# KiCad board ergodonk_simple.kicad_pcb (continued)
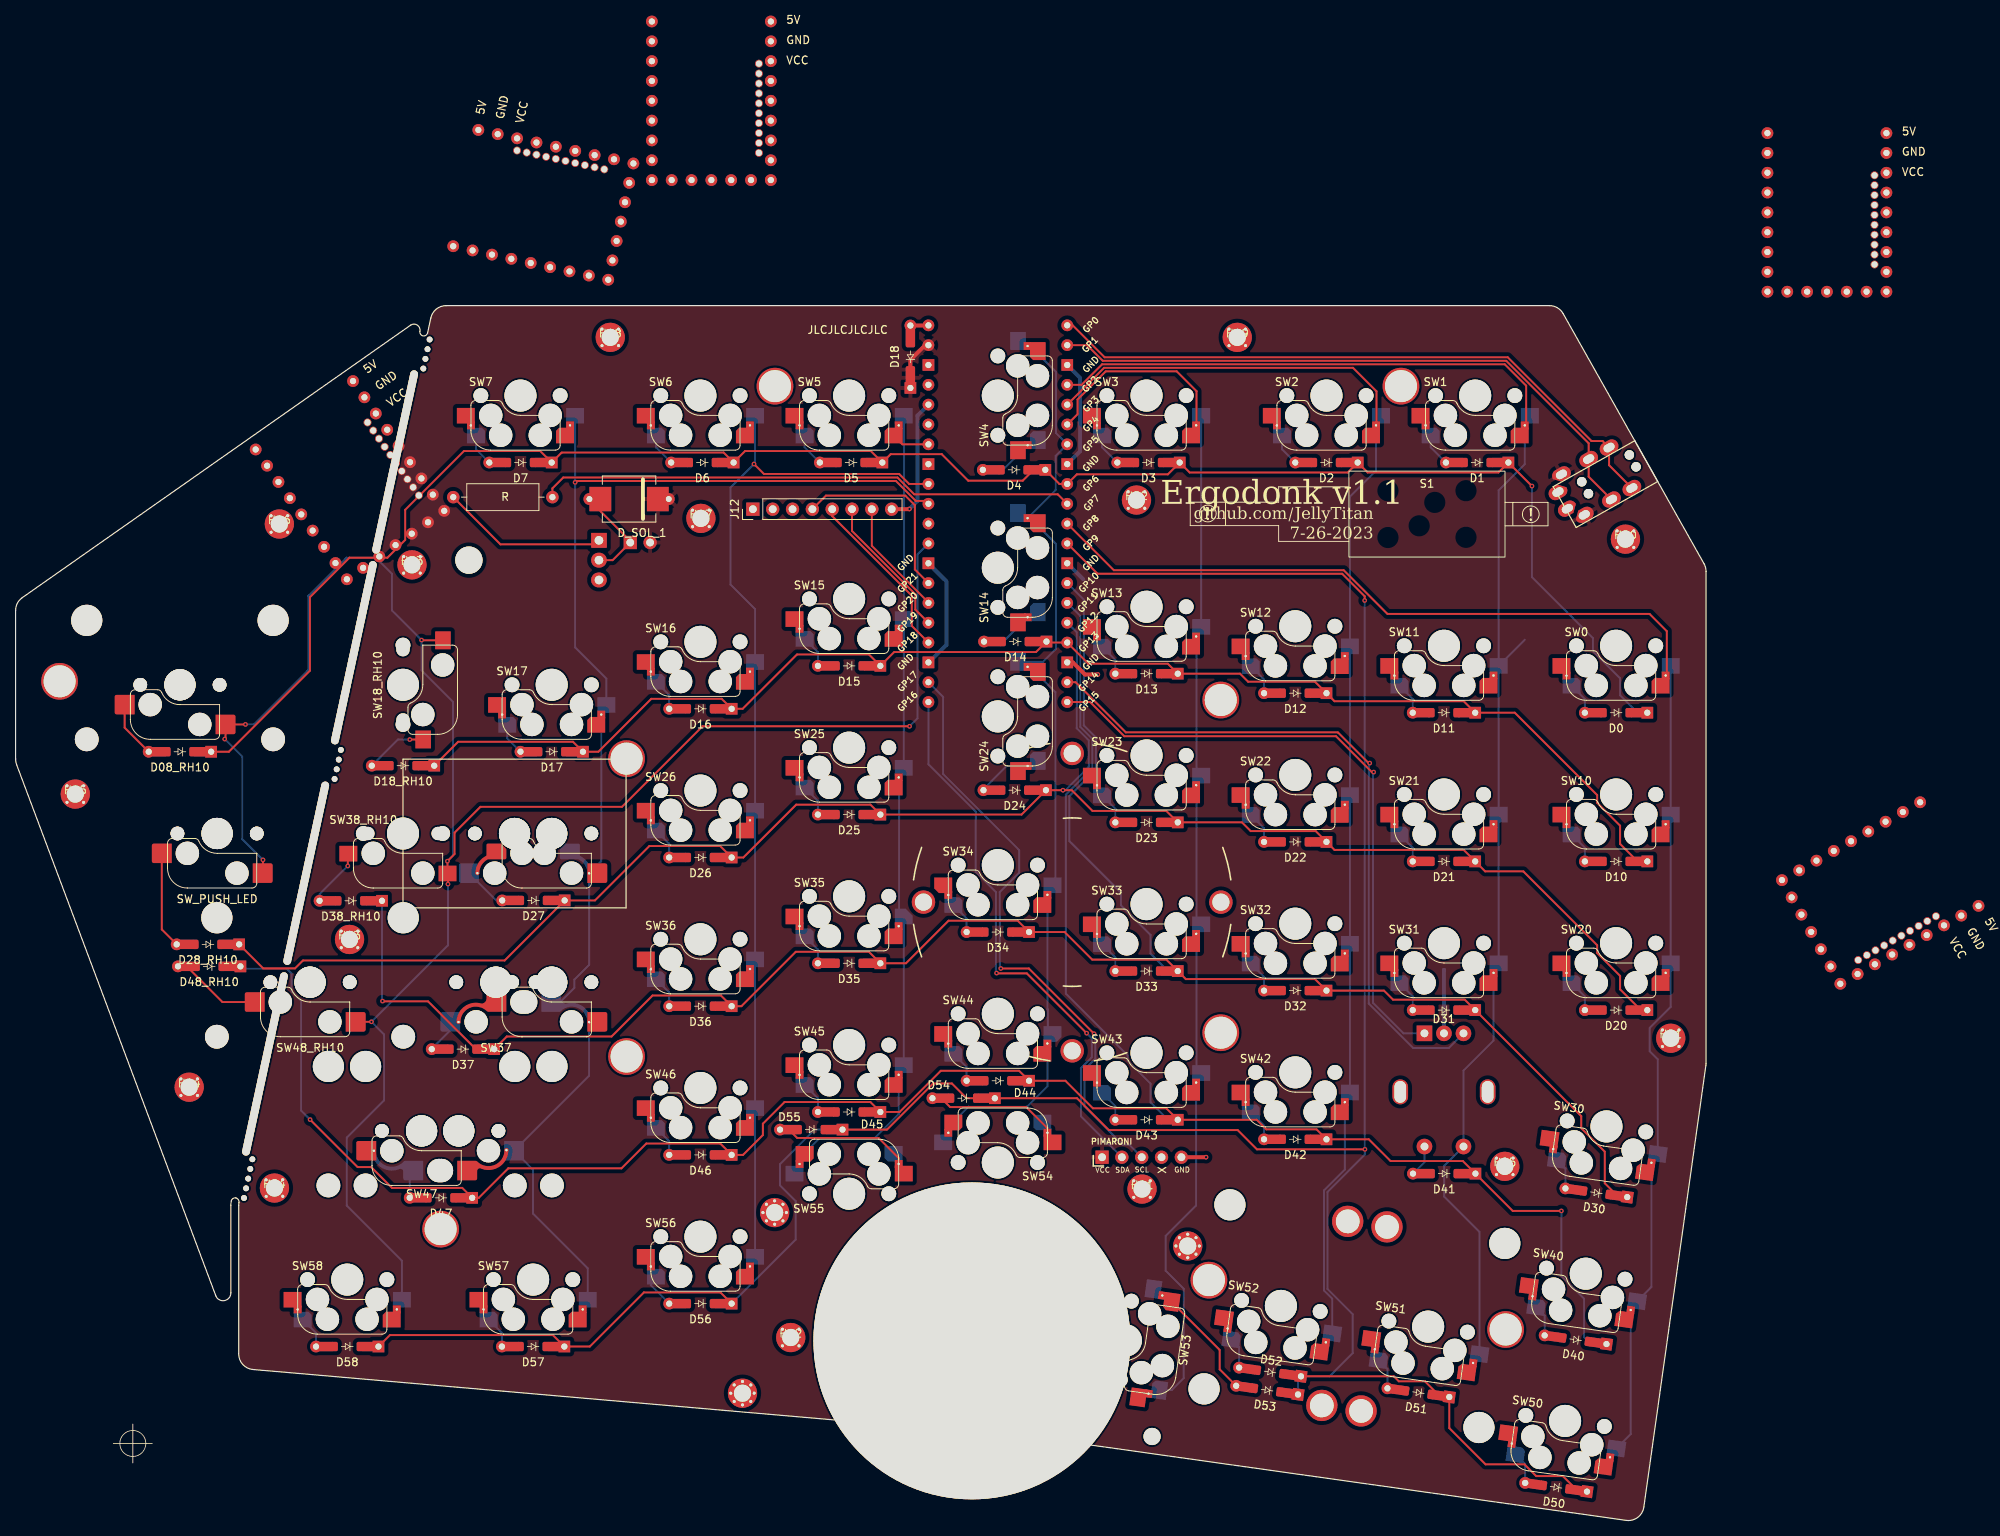
[diagram p0: board, top side]
## Library data of the parts
D0-D7 D08_RH10 D10-D17 D18_RH10 D20-D27 D28_RH10 D30-D37 D38_RH10 D40-D47 D48_RH10 D50-D58 = -: Description: Diode; Sim.Pins: 1=K 2=A
D18 = -: Description: Diode
D_SOL_1 = -: MANUFACTURER: Taiwan Semiconductor; MAXIMUM_PACKAGE_HEIGHT: 2.62 mm; PARTREV: L2102; STANDARD: IPC-7351B
H1-H25 = -: Description: Mounting Hole without connection
J10 = -: Description: Generic connector, single row, 01x05, script generated
J12 = -: Description: Generic connector, single row, 01x08, script generated
J_SOL_1 = -: Description: Generic connector, single row, 01x02, script generated (kicad-library-utils/schlib/autogen/connector/)
Q1 = -: Description: 5A Ic, 60V Vce, Silicon Darlington Power NPN Transistor, TO-220
R2 = -: Description: Resistor, small symbol
SW18 = -: Description: Rotary encoder, dual channel, incremental quadrate outputs
SWLH_ROT1 = -: Description: Rotary encoder, dual channel, incremental quadrate outputs, with switch

## Footprints (pads in the part's own frame, mm; a bottom-side part is the same pattern mirrored in y, then rotated)
39367019-bb4e-49d1-b84f-72ef74cff27d
  round 1.5 hole 0.8: 1(1.38,10.16) 2(1.38,7.62) 3(1.38,5.08) 4(1.38,2.54) 5(1.38,0) 6(1.38,-2.54) 7(1.38,-5.08) 8(1.38,-7.62) 9(1.38,-10.16) 10(3.92,-10.16) 11(6.46,-10.16) 12(9,-10.16) 13(11.54,-10.16) 14(14.08,-10.16) 15(16.62,-10.16) 16(16.62,-7.62) 17(16.62,-5.08) 18(16.62,-2.54) 19(16.62,0) 20(16.62,2.54) 21(16.62,5.08) 22(16.62,7.62) 23(16.62,10.16)
  round 1 hole 0.8: 24(15.096,-6.674) 25(15.096,-5.404) 26(15.096,-4.134) 27(15.096,-2.864) 28(15.096,-1.594) 29(15.096,-0.324) 30(15.096,0.946) 31(15.096,2.216) 32(15.096,3.486) 33(15.096,4.756)
Bourns Hollow Encoder high plate_donk_holes
  round 40.6 hole 40.6 unplated: (0,0)
  round 2.2 hole 2.2 unplated: (24.98,-7.66)
  round 0.5 hole 0.4: 1(-30.988,6.243) 1(-30.549,5.182) 1(-30.549,7.304) 1(-29.489,4.744) 1(-29.489,7.742) 1(-28.428,5.182) 1(-28.428,7.304) 1(-27.99,6.243) 1(-17.539,25.519) 1(-17.1,24.458) 1(-17.1,26.579) 1(-16.039,24.02) 1(-16.039,27.018) 1(-14.979,24.458) 1(-14.979,26.579) 1(-14.54,25.519) 1(9.452,-28.144) 1(9.89,-29.204) 1(9.89,-27.083) 1(10.951,-29.643) 1(10.951,-26.644) 1(12.011,-29.204) 1(12.011,-27.083) 1(12.45,-28.144)
  round 3.75 hole 2.2: 1(-29.489,6.243) 1(-16.039,25.519) 1(10.951,-28.144)
Cherry_MX_DS_Hotswap_1U_oneside
  round 1.9 hole 1.9 unplated: (-5.08,0) (5.08,0)
  round 1.7 hole 1.7 unplated: (-4.5,0) (4.5,0)
  round 3 hole 3 unplated: (-2.54,5.08) (3.81,2.54)
  round 4.1 hole 4.1 unplated: (0,0)
  rect 2.3x2 smd: 5(7,2.58) 6(-5.7,5.12)
Cherry_MX_DS_Hotswap_1U_sofle3b v3
  round 1.9 hole 1.9 unplated: (-5.08,0) (5.08,0)
  round 3 hole 3 unplated: (-3.81,2.54) (-2.54,5.08) (2.54,5.08) (3.81,2.54)
  round 4.1 hole 4.1 unplated: (0,0)
  rrect 2.3x2 smd far side: 5(5.7,5.12)
  rect 1x1 hole 0.3: 5(6.35,3.82) 6(-6.35,3.81)
  rect 2.3x2 smd: 5(7,2.58)
  rect 2.3x2 smd far side: 6(-7,2.58)
  rrect 2.3x2 smd: 6(-5.7,5.12)
Cherry_MX_DS_Hotswap_1U_sofle3b v3#2
  round 1.9 hole 1.9 unplated: (-5.08,0) (5.08,0)
  round 3 hole 3 unplated: (-3.81,2.54) (-2.54,5.08) (2.54,5.08) (3.81,2.54)
  round 4.1 hole 4.1 unplated: (0,0)
  rrect 2.3x2 smd far side: 5(5.7,5.12)
  rect 1x1 hole 0.3: 5(6.35,3.82) 6(-6.35,3.81)
  rrect 2.3x2 smd: 5(7,2.58) 6(-5.7,5.12)
  rect 2.3x2 smd far side: 6(-7,2.58)
Cherry_MX_DS_Hotswap_1U_sofle3b v3#3
  round 1.9 hole 1.9 unplated: (-5.08,0) (5.08,0)
  round 3 hole 3 unplated: (-3.81,2.54) (-2.54,5.08) (2.54,5.08) (3.81,2.54)
  round 4.1 hole 4.1 unplated: (0,0)
  rrect 2.3x2 smd far side: 5(5.7,5.12) 6(-7,2.58)
  rect 1x1 hole 0.3: 5(6.35,3.82) 6(-6.35,3.81)
  rect 2.3x2 smd: 5(7,2.58)
  rrect 2.3x2 smd: 6(-5.7,5.12)
D_SOD-123_DO-35_Hybrid_DoubleSided
  rect 1.5x1.5 hole 0.8: 1(-4,0)
  rect 1.6x1.2 smd far side: 1(-2.75,0) 2(2.7,0)
  rect 1.6x1.2 smd: 1(-2.7,0)
  rrect 0.9x1.2 smd: 1(-1.65,0) 2(1.65,0)
  rrect 0.9x1.2 smd far side: 1(-1.65,0) 2(1.65,0)
  rect 1.94x1.2 smd: 2(2.87,0)
  round 1.5 hole 0.8: 2(4,0)
Hole from sofle for M2 posts gold rimmer
  round 4.7 hole 4.1: (0,0)
M2_Hole_fancy_for_bolt-on-plate
  round 0.5 hole 0.4: 1(-1.061,1.061) 1(-1.061,-1.061) 1(1.061,1.061) 1(1.061,-1.061)
  round 3.75 hole 2.2: 1(0,0)
MJ-4PP-9_CANTOR_KITCHEN_SINK
  round 1.2 hole 1.2 unplated: (-1.75,-1.5) (-1.75,-8.5) (0,-1.5) (0,-8.5)
  rrect 1.7x2.5 hole 1x1.5: 1(-2.1,-11.8) 1(0.35,-11.8) 2(-3.85,-10.3) 2(2.1,-10.3)
  oval 1.7x2.5 hole 1x1.5: 3(-3.85,-6.3) 3(2.1,-6.3) 4(-3.85,-3.3) 4(2.1,-3.3)
mousebites_1mm_4up
  round 0.75 hole 0.75 unplated: (0,1.905) (0,0.635) (0,-0.635) (0,-1.905)
mousebites_1mm_5up
  round 0.75 hole 0.75 unplated: (0,2.54) (0,1.27) (0,0) (0,-1.27) (0,-2.54)
MUR340S_IN4001_TH_HYBRID
  rect 2.795x3.12 smd: A(3.683,0) C(-3.683,0)
  rect 2.795x3.12 smd far side: A(3.683,0) C(-3.683,0)
  round 1.524 hole 0.762: A(5.08,0) C(-5.08,0)
Pimaroni_PinHeader_1x05_P2.54mm_Vertical Sofle v3b
  rect 1.7x1.7 hole 1: 1(0,0)
  oval 1.7x1.7 hole 1: 2(0,-2.54) 3(0,-5.08) 4(0,-7.62) 5(0,-10.16)
PinHeader_1x02_P2.54mm_Vertical
  rect 1.7x1.7 hole 1: 1(0,0)
  oval 1.7x1.7 hole 1: 2(0,-2.54)
PinHeader_1x08_P2.54mm_Vertical
  rect 1.7x1.7 hole 1: 1(0,0)
  oval 1.7x1.7 hole 1: 2(0,-2.54) 3(0,-5.08) 4(0,-7.62) 5(0,-10.16) 6(0,-12.7) 7(0,-15.24) 8(0,-17.78)
R_Axial_DIN0309_L9.0mm_D3.2mm_P12.70mm_Horizontal
  round 1.6 hole 0.8: 1(0,0)
  oval 1.6x1.6 hole 0.8: 2(12.7,0)
RotaryEncoder_EC11_ergodonk_variant
  oval 3.2x2 hole 2.8x1.5 unplated: (0,-5.6) (0,5.6)
  rect 2x2 hole 1: A(-7.5,2.5)
  round 2 hole 1: B(-7.5,-2.5) C(-7.5,0) S1(7,-2.5) S2(7,2.5)
RPi_Pico_SMD_TH_DS_Simple_v1
  round 1.5 hole 0.8: 1(-8.817,24.13) 2(-8.817,21.59) 4(-8.817,16.51) 5(-8.817,13.97) 6(-8.817,11.43) 7(-8.817,8.89) 9(-8.817,3.81) 10(-8.817,1.27) 11(-8.817,-1.27) 12(-8.817,-3.81) 14(-8.817,-8.89) 15(-8.817,-11.43) 16(-8.817,-13.97) 17(-8.817,-16.51) 19(-8.817,-21.59) 20(-8.817,-24.13) 21(8.963,-24.13) 22(8.963,-21.59) 24(8.963,-16.51) 25(8.963,-13.97) 26(8.963,-11.43) 27(8.963,-8.89) 29(8.963,-3.81) 30(8.963,-1.27) 31(8.963,1.27) 32(8.963,3.81) 34(8.963,8.89) 35(8.963,11.43) 36(8.963,13.97) 37(8.963,16.51) 39(8.963,21.59) 40(8.963,24.13)
  rect 1.5x1.5 hole 0.8: 3(-8.817,19.05) 8(-8.817,6.35) 13(-8.817,-6.35) 18(-8.817,-19.05) 23(8.963,-19.05) 28(8.963,-6.35) 33(8.963,6.35) 38(8.963,19.05)
slot 24mm
  oval 1x24 hole 1x24 unplated: (0,0)
STAB_MX_P_2u
  round 4 hole 3.048: (-11.906,6.985) (11.906,6.985)
  round 3.988 hole 3.988 unplated: (-11.906,-8.255) (11.906,-8.255)
Tenting_Puck.kicad_mod_nocenter
  round 3 hole 2.2: 1(-19.05,0) 1(0,19.05) 1(0,-19.05) 1(19.05,0)
TO-220-3_Horizontal_TabDown
  oval 3.5x3.5 hole 3.5 unplated: (2.54,16.66)
  rect 1.905x2 hole 1.1: 1(0,0)
  oval 1.905x2 hole 1.1: 2(2.54,0) 3(5.08,0)
uxcell a14092600ux0438 solenoid
  round 0.001 hole 2.2 unplated: (-5,3) (-5,-3) (-1,-1.5) (1,1.5) (5,3) (5,-2.975)
V2_CherryMX_DoubleSided_Hotswap_miniE_1.5u_LH_1u_RH
  round 1.75 hole 1.75 unplated: (-5.08,0) (-5.08,0) (-0.318,0) (-0.318,0) (5.08,0) (5.08,0) (9.842,0) (9.842,0)
  round 3 hole 3 unplated: (-2.54,-5.08) (0.953,-2.54) (3.81,-2.54) (7.303,-5.08)
  round 3.988 hole 3.988 unplated: (0,0) (0,0) (4.763,0) (4.763,0)
  rrect 2.55x2.5 smd far side: 5(-5.842,-5.08)
  round 0.5 hole 0.3: 5(-4.761,-5.08) 6(9.561,-5.101)
  custom 3.964x4.04 smd: 5(-2.322,-2.3)
  custom 4.001x4.061 smd far side: 6(7.085,-2.3)
  rrect 2.55x2.5 smd: 6(10.604,-5.08)
V2_CherryMX_DoubleSided_Hotswap_miniE_1.5u_RH_ONLY
  round 1.75 hole 1.75 unplated: (-5.08,0) (-5.08,0) (5.08,0) (5.08,0)
  round 3 hole 3 unplated: (-3.81,-2.54) (2.54,-5.08)
  round 3.988 hole 3.988 unplated: (0,0) (0,0)
  rrect 2.55x2.5 smd: 5(-7.085,-2.54) 6(5.842,-5.08)
V2_CherryMX_DoubleSided_Hotswap_miniE_1.75u_LH_1u_RH
  round 1.75 hole 1.75 unplated: (-5.08,0) (-5.08,0) (2.064,0) (2.064,0) (5.08,0) (5.08,0) (12.224,0) (12.224,0)
  round 3 hole 3 unplated: (-2.54,-5.08) (3.334,-2.54) (3.81,-2.54) (9.684,-5.08)
  round 3.988 hole 3.988 unplated: (0,0) (0,0) (7.144,0) (7.144,0)
  rrect 2.55x2.5 smd far side: 5(-5.842,-5.08)
  round 0.5 hole 0.3: 5(-4.796,-5.102) 6(11.933,-5.114)
  custom 6.379x4.062 smd: 5(0.059,-2.54)
  custom 6.373x4.074 smd far side: 6(7.085,-2.54)
  rrect 2.55x2.5 smd: 6(12.986,-5.08)
V2_CherryMX_DoubleSided_Hotswap_miniE_2.25u_LH_2.75u_RH
  round 3.988 hole 3.988 unplated: (-11.938,7.931) (-7.176,7.931) (0,-0.324) (0,-0.324) (4.763,-0.324) (4.763,-0.324) (11.938,7.931) (16.701,7.931)
  round 3.048 hole 3.048 unplated: (-11.938,-7.309) (-7.176,-7.309) (11.938,-7.309) (16.701,-7.309)
  round 1.75 hole 1.75 unplated: (-5.08,-0.324) (-5.08,-0.324) (-0.318,-0.324) (-0.318,-0.324) (5.08,-0.324) (5.08,-0.324) (9.842,-0.324) (9.842,-0.324)
  round 3 hole 3 unplated: (-3.81,-2.864) (2.223,-5.404) (2.54,-5.404) (8.572,-2.864)
  rrect 2.55x2.5 smd: 5(-7.085,-2.864)
  round 0.5 hole 0.3: 5(-6.107,-2.864) 6(10.87,-2.78)
  custom 6.552x4.04 smd far side: 5(-1.079,-5.404)
  custom 6.551x4.116 smd: 6(5.842,-5.404)
  rrect 2.55x2.5 smd far side: 6(11.848,-2.864)
V2_CherryMX_DoubleSided_Hotswap_miniE_2.25u_RH_ONLY
  round 3.988 hole 3.988 unplated: (-11.938,8.255) (0,0) (0,0) (11.938,8.255)
  round 3.048 hole 3.048 unplated: (-11.938,-6.985) (11.938,-6.985)
  round 1.75 hole 1.75 unplated: (-5.08,0) (-5.08,0) (5.08,0) (5.08,0)
  round 3 hole 3 unplated: (-3.81,-2.54) (2.54,-5.08)
  rrect 2.55x2.5 smd: 5(-7.085,-2.54) 6(5.842,-5.08)
V2_CherryMX_DoubleSided_Hotswap_miniE_2u_RH_ONLY
  round 3.988 hole 3.988 unplated: (-11.938,8.255) (0,0) (0,0) (11.938,8.255)
  round 3.048 hole 3.048 unplated: (-11.938,-6.985) (11.938,-6.985)
  round 1.75 hole 1.75 unplated: (-5.08,0) (-5.08,0) (5.08,0) (5.08,0)
  round 3 hole 3 unplated: (-3.81,-2.54) (2.54,-5.08)
  rrect 2.55x2.5 smd: 5(-7.085,-2.54) 6(5.842,-5.08)

## Nets
GND: J10.5 J11.1 J12.2 Q1.3 SWLH_ROT1.C U11.3 U11.8 U11.13 U11.18 U11.23 U11.28
VCC: D18.1 D_SOL_1.C J10.1 J11.2 J_SOL_1.2 U11.39
col0: SW0.6 SW10.6 SW20.6 SW30.6 SW40.6 SW50.6 U11.11
col2: SW2.6 SW12.6 SW22.6 SW32.6 SW42.6 SW52.6 U11.5
col3: SW3.6 SW13.6 SW23.6 SW33.6 SW43.6 SW53.6 U11.6
col4: SW4.6 SW14.6 SW24.6 SW34.6 SW44.6 SW54.6 U11.7
col5: SW5.6 SW15.6 SW25.6 SW35.6 SW45.6 SW55.6 U11.34
col6: SW6.6 SW16.6 SW26.6 SW36.6 SW46.6 SW56.6 U11.32
col7: SW7.6 SW17.6 SW27.6 SW37.6 SW47.6 SW57.6 U11.31
col8: SW08_RH10.6 SW18_RH10.6 SW28_RH10.6 SW38_RH10.6 SW48_RH10.6 SW58.6 U11.29
encA: SWLH_ROT1.A U11.20
encB: SWLH_ROT1.B U11.19
MI: J12.7 U11.26
MO: J12.6 U11.25
row0: D0.1 D1.1 D2.1 D3.1 D4.1 D5.1 D6.1 D7.1 D08_RH10.1 U11.9
row1: D10.1 D11.1 D12.1 D13.1 D14.1 D15.1 D16.1 D17.1 D18_RH10.1 U11.17
row2: D20.1 D21.1 D22.1 D23.1 D24.1 D25.1 D26.1 D27.1 D28_RH10.1 U11.16
row3: D30.1 D31.1 D32.1 D33.1 D34.1 D35.1 D36.1 D37.1 D38_RH10.1 U11.14
row4: D40.1 D41.1 D42.1 D43.1 D44.1 D45.1 D46.1 D47.1 D48_RH10.1 U11.15
row5: D50.1 D51.1 D52.1 D53.1 D54.1 D55.1 D56.1 D57.1 D58.1 U11.12
RX: J11.3 U11.2
SC: J12.5 U11.24
SCL: J10.3 U11.22
SDA: J10.2 U11.21
SOLENOID_CONTROL: R2.2 U11.10
SS: J12.4 U11.27
SW41A: SW1.6 SW11.6 SW21.6 SW31.6 SW51.6 SWLH_ROT1.S1 U11.4
SW41B: D41.2 SWLH_ROT1.S2
TX: J11.4 U11.1
VI: J12.8 U11.36
Net-(D0-A): D0.2 SW0.5
Net-(D1-A): D1.2 SW1.5
Net-(D2-A): D2.2 SW2.5
Net-(D3-A): D3.2 SW3.5
Net-(D4-A): D4.2 SW4.5
Net-(D5-A): D5.2 SW5.5
Net-(D6-A): D6.2 SW6.5
Net-(D7-A): D7.2 SW7.5
Net-(D08_RH10-A): D08_RH10.2 SW08_RH10.5
Net-(D10-A): D10.2 SW10.5
Net-(D11-A): D11.2 SW11.5
Net-(D12-A): D12.2 SW12.5
Net-(D13-A): D13.2 SW13.5
Net-(D14-A): D14.2 SW14.5
Net-(D15-A): D15.2 SW15.5
Net-(D16-A): D16.2 SW16.5
Net-(D17-A): D17.2 SW17.5
Net-(D18-A): D18.2 U11.40
Net-(D18_RH10-A): D18_RH10.2 SW18_RH10.5
Net-(D20-A): D20.2 SW20.5
Net-(D21-A): D21.2 SW21.5
Net-(D22-A): D22.2 SW22.5
Net-(D23-A): D23.2 SW23.5
Net-(D24-A): D24.2 SW24.5
Net-(D25-A): D25.2 SW25.5
Net-(D26-A): D26.2 SW26.5
Net-(D27-A): D27.2 SW27.5
Net-(D28_RH10-A): D28_RH10.2 SW28_RH10.5
Net-(D30-A): D30.2 SW30.5
Net-(D31-A): D31.2 SW31.5
Net-(D32-A): D32.2 SW32.5
Net-(D33-A): D33.2 SW33.5
Net-(D34-A): D34.2 SW34.5
Net-(D35-A): D35.2 SW35.5
Net-(D36-A): D36.2 SW36.5
Net-(D37-A): D37.2 SW37.5
Net-(D38_RH10-A): D38_RH10.2 SW38_RH10.5
Net-(D40-A): D40.2 SW40.5
Net-(D42-A): D42.2 SW42.5
Net-(D43-A): D43.2 SW43.5
Net-(D44-A): D44.2 SW44.5
Net-(D45-A): D45.2 SW45.5
Net-(D46-A): D46.2 SW46.5
Net-(D47-A): D47.2 SW47.5
Net-(D48_RH10-A): D48_RH10.2 SW48_RH10.5
Net-(D50-A): D50.2 SW50.5
Net-(D51-A): D51.2 SW51.5
Net-(D52-A): D52.2 SW52.5
Net-(D53-A): D53.2 SW53.5
Net-(D54-A): D54.2 SW54.5
Net-(D55-A): D55.2 SW55.5
Net-(D56-A): D56.2 SW56.5
Net-(D57-A): D57.2 SW57.5
Net-(D58-A): D58.2 SW58.5
Net-(J_SOL_1-Pin_1): D_SOL_1.A J_SOL_1.1 Q1.2
Net-(Q1-B): Q1.1 R2.1

Pads without a net: H11 1; H12 1; H13 1; H14 1; H15 1; H16 1; H17 1; H18 1; H19 1; H20 1; H21 1; H22 1; H23 1; H24 1; H25 1; J10 4; J12 1 3; NOREF 1 2 3 4 5 6 7 8 9 10 11 12 13 14 15 16 17 18 19 20 21 22 23 24 25 26 27 28 29 30 31 32 33; NOREF#2 1 2 3 4 5 6 7 8 9 10 11 12 13 14 15 16 17 18 19 20 21 22 23 24 25 26 27 28 29 30 31 32 33; NOREF#3 1 2 3 4 5 6 7 8 9 10 11 12 13 14 15 16 17 18 19 20 21 22 23 24 25 26 27 28 29 30 31 32 33; NOREF#4 1 2 3 4 5 6 7 8 9 10 11 12 13 14 15 16 17 18 19 20 21 22 23 24 25 26 27 28 29 30 31 32 33; NOREF#5 1 2 3 4 5 6 7 8 9 10 11 12 13 14 15 16 17 18 19 20 21 22 23 24 25 26 27 28 29 30 31 32 33; REF**#5 1; SW18 1; U11 30 33 35 37 38

## Via types
v1: diameter 0.6, hole 0.3, Top to Bottom, 28 vias

## Routing (per net, layer and track width the routed paths; a pad name or vN(x,y) marks a point on that pad's centre or on a via; arc(x,y) is an arc through that point)
GND: length 50.2
  Top w0.5: J10.5 152.49,46.52 v1(152.5,46.53) ; v1(138.63,108.36) 136.99,108.36 135.43,109.92 U11.18
  Bottom w0.5: U11.3 136.36,146.38 136.36,136.96 U11.8 ; 118.86,120.65 116.93,122.58 U11.28 119.23,120.32 119.23,112.15 117,109.92 U11.23 ; U11.13 134.72,122.62 136.76,120.57 ; SWLH_ROT1.C 182.98,70.52 182.99,70.53
VCC: length 6.3
  Top w0.5: 116.52,150.56 114.62,148.66 D18.1
col0: length 189.1
  Top w0.25: U11.11 140.69,121.72 170.13,121.72 175.74,116.12 209.31,116.12 211.52,113.91 211.52,108.39
  Bottom w0.25: SW40.6 209.55,29.91 SW30.6 ; SW50.6 206.9,11.05 SW40.6 ; SW0.6 SW10.6 SW20.6 212.02,65.78 209.33,63.09 209.33,60.09 210.36,59.06 SW30.6
col2: length 165.2
  Top w0.25: U11.5 139.43,147.65 171.32,147.65 174.33,144.64 174.33,140.35
  Bottom w0.25: SW2.6 174.27,134.48 170.93,131.13 SW12.6 SW22.6 SW32.6 SW42.6 ; SW42.6 170.27,44.94 167.61,42.27 167.61,29.45 168.66,28.4 SW52.6
col3: length 153.9
  Top w0.25: U11.6 136.04,141.72 136.04,143.6 139.64,147.2 148.74,147.2 151.28,144.66 151.28,140.34
  Bottom w0.25: SW43.6 151.23,40.34 147.32,36.44 147.32,31.98 149.64,29.67 149.64,18.22 148.11,16.69 SW53.6 ; SW13.6 SW3.6 ; 151.28,94.13 151.28,75.19 ; 151.28,75.08 151.28,56.14 ; 151.28,113.18 151.28,94.24
col4: length 118.8
  Bottom w0.25: 133.2,81.79 133.2,106.1 129.96,109.35 ; SW54.6 119.48,50.41 122.06,52.99 129.55,52.99 132.18,55.62 SW44.6 ; 129.97,128.4 133.27,125.09 133.27,111.65 131.62,110 SW24.6 ; SW34.6 132.18,65.5 132.23,65.44 132.23,61.14 ; 129.96,150.45 133.27,147.13 133.27,139.3 U11.7 133.24,136.38 133.24,132 SW14.6
col5: length 107.3
  Top w0.25: SW5.6 113.59,137.86 U11.34
  Bottom w0.25: 113.18,76.19 113.18,95.13 ; SW25.6 SW15.6 ; SW45.6 113.12,52.05 110.02,48.95 102.97,48.95 100.42,46.41 SW55.6 ; SW45.6 SW35.6 ; 113.82,140.73 113.82,116.26
col6: length 133.8
  Top w0.25: v1(94.59,135.33) 95.86,134.05 113.18,134.05 114.46,132.78 U11.32
  Bottom w0.25: SW6.6 94.73,135.46 v1(94.59,135.33) 91.58,132.32 91.58,119.88 94.73,116.74 SW16.6 SW26.6 SW36.6 SW46.6 SW56.6
col7: length 167.6
  Top w0.25: 116.93,130.6 115.33,130.6 112.77,133.15 71.85,133.15 v1(71.67,132.98)
  Bottom w0.25: 69.77,66.41 71.58,68.21 71.58,69.27 73.47,71.17 SW27.6 75.02,84.45 SW17.6 ; SW37.6 73.46,56.97 SW47.6 66.27,44.93 66.27,39.3 73.29,32.28 SW57.6 ; SW7.6 v1(71.67,132.98) 71.67,111.83 75.67,107.83 SW17.6
col8: length 260.9
  Top w0.25: SW38_RH10.6 55.33,84.44 v1(55.31,84.45) 56.22,85.36 56.22,88.09 59.55,91.41 77.67,91.41 87.99,101.73 v1(114.51,101.73) ; v1(26.78,100.09) 26.89,100.2 SW08_RH10.6 29.44,101.97 v1(29.44,101.97) ; v1(55.39,81.51) 55.39,82.82 ; SW18_RH10.6 52.03,112.75 v1(52,112.77) ; v1(31.69,84.61) 31.69,82.95 ; v1(45.58,63.87) 45.58,63.87 SW48_RH10.6
  Bottom w0.25: v1(55.39,81.51) 55.39,73.67 v1(45.58,63.87) 47.2,62.26 47.2,53.81 42.42,49.03 42.42,40.32 49.48,33.27 SW58.6 ; v1(31.69,84.61) 29.03,87.26 29.03,97.84 v1(26.78,100.09) ; U11.29 115.54,123.76 115.54,102.75 v1(114.51,101.73) ; v1(29.44,101.97) 30.5,101.97 37.5,108.96 37.5,118.44 42.38,123.33 46.14,123.33 48.21,121.26 48.21,116.57 v1(52,112.77) 52,108.89 56.03,104.87 56.03,85.17 v1(55.31,84.45)
encA: length 80.8
  Top w0.25: v1(173.97,95.86) 173.73,95.86 169.14,100.45 142.02,100.45 137.64,104.84 U11.20
  Bottom w0.25: SWLH_ROT1.A 177.79,62.4 173.89,66.3 173.89,95.78 v1(173.97,95.86)
encB: length 89.2
  Top w0.25: U11.19 135.8,107.38 142.22,100.95 169.38,100.95 173.34,96.99 173.44,96.99 v1(173.47,97.01)
  Bottom w0.25: v1(173.47,97.01) 173.34,96.89 173.34,66.21 179.04,60.51 183.59,60.51 SWLH_ROT1.B
MI: length 15
  Top w0.25: 116.93,117.6 109.68,124.85 J12.7
MO: length 18.6
  Top w0.25: J12.6 107.14,126.75 115.26,118.64 115.26,116.68 U11.25
row0: length 237.9
  Top w0.25: 130.4,134.58 129.02,133.2 122.03,133.2 118.63,136.59 112.1,136.59 D5.1 109.55,136.99 93.45,136.99 D6.1 90.7,136.8 69.95,136.8 D7.1 67.2,136.99 57.43,136.99 49.91,129.46 49.91,125.6 47.63,123.33 42.76,123.33 37.7,118.27 37.7,108.86 27.31,98.47 D08_RH10.1 ; v1(194.25,132.5) 194.24,132.5 D1.1 189.95,134.25 173.2,134.25 D2.1 170.65,134.25 150.4,134.25 D3.1 147.61,134 135.94,134 U11.9 133.71,132.78 D4.1
  Bottom w0.25: v1(194.25,132.5) 194.25,120.84 202.06,113.03 202.06,111.35 205.54,107.87 205.54,105.71 D0.1 D0.1
row1: length 178.7
  Top w0.25: 132.18,112.46 U11.17 137.43,109.75 147.6,109.75 D13.1 156.86,108.47 157.89,107.44 166.45,107.44 D12.1 168.95,104.94 185.5,104.94 D11.1 192.05,103.47 202.6,92.92 202.6,91.93 205.54,88.99 205.54,86.66 D10.1 D10.1 ; D14.1 130.71,111.24 112.55,111.24 D15.1 109.31,110.93 100.09,110.93 93.13,103.97 D16.1 90.45,105.25 81.43,105.25 74.65,98.47 D17.1 71.4,99.75 56.69,99.75 D18_RH10.1
row2: length 230.8
  Top w0.25: D28_RH10.1 31.72,70.71 35.8,70.71 36.81,71.73 62.65,71.73 D27.1 74.21,79.42 81.18,86.39 90.25,86.39 D26.1 93.22,84.92 100,91.7 109.5,91.7 D25.1 128.86,90.42 D24.1 135.3,93.54 137.95,90.89 147.4,90.89 D23.1 157.1,89.42 158.21,88.3 166.54,88.3 D22.1 168.95,85.89 185.5,85.89 D21.1 188.25,83.15 193.14,83.15 202.6,73.69 202.6,72.69 205.54,69.75 205.54,68.03 208.2,65.37 D20.1
  Bottom w0.25: v1(134.17,93.54) 134.48,93.54 137.48,96.54 137.48,99.93 135.94,101.47 135.94,113.78 U11.16
row3: length 259.7
  Top w0.25: v1(47.01,66.52) 47.04,66.49 52.83,66.49 D37.1 D37.1 62.92,61.99 76.34,61.99 81.59,67.24 90.35,67.24 D36.1 92.97,65.87 99.94,72.84 109.3,72.84 D35.1 114.06,71.37 119.52,76.82 128.37,76.82 D34.1 134.39,75.37 137.92,71.84 147.4,71.84 D33.1 149.9,69.34 166.45,69.34 D32.1 175.29,67.87 176.45,66.71 185.64,66.71 D31.1 200.56,51.78 200.56,50.25 203.58,47.23 203.58,43.19 D30.1
  Bottom w0.25: U11.14 136.83,117.96 136.83,101.85 138.38,100.31 138.38,96.17 134.99,92.78 134.99,87.03 141.59,80.42 141.59,78.8 145.39,75 145.39,72.61 D33.1 D33.1 ; v1(47.01,66.52) 46.94,66.59 D38_RH10.1
row4: length 301.7
  Top w0.25: v1(198.01,39.64) 191.79,39.64 D41.1 185.39,46.03 176.13,46.03 173.35,48.82 D42.1 166.65,50.1 160.21,50.1 158.99,51.32 D43.1 147.4,52.79 138.01,52.79 134.48,56.32 D44.1 128.55,57.6 118.52,57.6 113.24,52.32 D45.1 109.5,53.6 98.51,53.6 95.73,50.81 95.73,49.36 93.18,46.82 D46.1 90.27,48.27 80.78,48.27 77.61,45.1 63.11,45.1 59.33,41.32 D47.1 57.21,42.6 48.22,42.6 45.55,45.26 43.8,45.26 v1(37.72,51.34)
  Bottom w0.25: D40.1 200.92,23.46 200.92,28.39 198.01,31.3 v1(198.01,39.64) ; U11.15 136.38,115.87 136.38,101.66 137.93,100.12 137.93,96.36 134.54,92.97 134.54,67.49 142.45,59.57 142.45,58.89 145.39,55.95 145.39,53.56 D43.1 D43.1 ; v1(37.72,51.34) 36.58,52.49 36.58,66.56 35.35,67.79 35.35,70.06 34.72,70.68 29.08,70.68
row5: length 347.5
  Top w0.25: D58.1 47.95,23.74 68.82,23.74 D57.1 73.55,22.27 80.48,29.2 90.29,29.2 D56.1 ; D54.1 121.83,54.08 119.93,55.97 117.53,55.97 111.62,50.06 D55.1 ; D50.1 198.21,5.67 194.79,5.67 193.29,7.17 188.31,7.17 183.66,11.82 D51.1 182.55,15.81 180.54,17.82 177.19,17.82 176.55,18.46 D52.1 ; v1(172.82,117.85) 172.82,118.39 169.94,121.27 138.6,121.27 U11.12 ; v1(172.85,47.53) 159.01,47.53 156.55,50 140.05,50 135.96,54.08 D54.1
  Bottom w0.25: D53.1 164.28,18.08 D52.1 168.32,18.46 171.29,21.42 171.29,26.41 168.06,29.64 168.06,42.09 172.83,46.87 172.83,47.52 v1(172.85,47.53) 172.82,47.56 v1(172.82,117.85) ; D56.1 99.93,35.98 99.93,40.9 97.92,42.92 97.92,45.63 102.34,50.06 D55.1
RX: length 80.4
  Top w0.25: J11.3 201.51,133.7 J11.3 201.51,137.99 190.95,148.55 139.26,148.55 137.26,150.56 U11.2
SC: length 22.2
  Top w0.25: U11.24 114.8,114.59 114.8,118.45 104.61,128.65 J12.5
SCL: length 78
  Top w0.25: v1(126.21,70.7) 129.8,70.7 v1(138.15,62.34)
  Bottom w0.25: J10.3 142.66,48.12 141.84,48.12 136.92,53.04 136.92,57.74 138.31,59.14 138.31,62.18 v1(138.15,62.34) ; v1(126.21,70.7) 126.08,70.83 126.08,80.5 128.56,82.98 128.56,85.87 118.82,95.61 118.82,105.49 U11.22
SDA: length 72
  Top w0.25: v1(137.2,62.42) 129.54,70.07 125.71,70.07 v1(125.67,70.11)
  Bottom w0.25: v1(125.67,70.11) 125.58,70.2 125.58,80.5 122.99,83.08 122.99,90.79 116.93,96.85 U11.21 ; v1(137.2,62.42) 137.87,61.75 137.87,59.33 136.46,57.93 136.46,51.77 J10.2
SOLENOID_CONTROL: length 69.1
  Top w0.25: U11.10 133.5,131.45 115.12,131.45 112.96,133.6 70.15,133.6 68.77,132.21 R2.2
SS: length 25.1
  Top w0.25: J12.4 103.8,131.28 113.96,131.28 115.2,130.05 115.2,121.82 U11.27
SW41A: length 194.3
  Top w0.25: 193.5,140.47 193.5,145.36 190.76,148.1 139.19,148.1 136.56,145.48 U11.4
  Bottom w0.25: SW51.6 187.52,36.96 183,41.47 183,45.43 SWLH_ROT1.S1 185.48,57.62 189.32,61.47 SW31.6 ; SW11.6 SW21.6 SW31.6 ; SW11.6 193.32,112.82 ; SW11.6 189.98,131.95 193.32,135.3 SW1.6
SW41B: length 4.1
  Bottom w0.25: SWLH_ROT1.S2 180.48,45.89 D41.2
TX: length 82.3
  Top w0.25: J11.4 204.13,135.18 J11.4 203.29,138.27 201.88,138.27 191.14,149 139.5,149 135.41,153.1 U11.1
VI: length 16.7
  Top w0.5: v1(114.51,129.57) 114.48,129.54 J12.8
  Bottom w0.5: v1(114.51,129.57) 115.52,130.59 115.52,141.53 U11.36
Net-(D0-A): length 4.2
  Bottom w0.25: D0.2 201.02,105.23 SW0.5
Net-(D1-A): length 4.3
  Bottom w0.25: D1.2 181.27,137.47 SW1.5
Net-(D2-A): length 4.2
  Bottom w0.25: SW2.5 162.23,137.22 D2.2
Net-(D3-A): length 4.3
  Bottom w0.25: SW3.5 139.18,137.47 D3.2
Net-(D4-A): length 7
  Bottom w0.25: SW4.5 126.48,134.58 D4.2
Net-(D5-A): length 4.3
  Bottom w0.25: SW5.5 101.08,137.47 D5.2
Net-(D6-A): length 4.3
  Bottom w0.25: D6.2 82.02,137.47 SW6.5
Net-(D7-A): length 4.2
  Bottom w0.25: SW7.5 58.97,137.22 D7.2
Net-(D08_RH10-A): length 7.3
  Top w0.25: SW08_RH10.5 13.96,101.56 D08_RH10.2
Net-(D10-A): length 4.2
  Bottom w0.25: SW10.5 201.02,86.18 D10.2
Net-(D11-A): length 4.2
  Bottom w0.25: D11.2 178.98,105.23 SW11.5
Net-(D12-A): length 4.2
  Bottom w0.25: D12.2 159.93,107.73 SW12.5
Net-(D13-A): length 4.2
  Bottom w0.25: D13.2 140.88,110.23 SW13.5
Net-(D14-A): length 6.9
  Bottom w0.25: D14.2 126.53,112.58 SW14.5
Net-(D15-A): length 4.2
  Bottom w0.25: D15.2 102.77,111.23 SW15.5
Net-(D16-A): length 4.2
  Bottom w0.25: D16.2 83.72,105.73 SW16.5
Net-(D17-A): length 4.2
  Bottom w0.25: SW17.5 62.97,100.17 D17.2
Net-(D18-A): length 2.3
  Top w0.5: D18.2 116.91,153.07
Net-(D18_RH10-A): length 8
  Top w0.25: v1(50.5,100.03) 52.19,100.03
  Bottom w0.25: v1(50.5,100.03) 48.97,100.03 D18_RH10.2
Net-(D20-A): length 4.2
  Bottom w0.25: D20.2 201.02,67.13 SW20.5
Net-(D21-A): length 4.2
  Bottom w0.25: SW21.5 178.98,86.18 D21.2
Net-(D22-A): length 4.2
  Bottom w0.25: SW22.5 159.93,88.68 D22.2
Net-(D23-A): length 4.2
  Bottom w0.25: D23.2 140.88,91.18 SW23.5
Net-(D24-A): length 6.9
  Bottom w0.25: 123.98,93.67 126.96,96.65 SW24.5
Net-(D25-A): length 4.2
  Bottom w0.25: D25.2 102.77,92.18 SW25.5
Net-(D26-A): length 4.2
  Bottom w0.25: D26.2 83.72,86.68 SW26.5
Net-(D27-A): length 5.7
  Bottom w0.25: SW27.5 61.57,79.42 D27.2
Net-(D28_RH10-A): length 12.5
  Top w0.25: SW28_RH10.5 18.73,75.7 D28_RH10.2
Net-(D30-A): length 4.1
  Bottom w0.25: SW30.5 198.53,45.09 D30.2
Net-(D31-A): length 4.2
  Bottom w0.25: D31.2 178.98,67.13 SW31.5
Net-(D32-A): length 4.2
  Bottom w0.25: SW32.5 159.93,69.63 D32.2
Net-(D33-A): length 4.2
  Bottom w0.25: D33.2 140.88,72.13 SW33.5
Net-(D34-A): length 4.2
  Bottom w0.25: D34.2 121.83,77.13 SW34.5
Net-(D35-A): length 4.2
  Bottom w0.25: D35.2 102.77,73.13 SW35.5
Net-(D36-A): length 4.2
  Bottom w0.25: D36.2 83.72,67.63 SW36.5
Net-(D37-A): length 4.9
  Bottom w0.25: SW37.5 53.3,60.41
Net-(D38_RH10-A): length 7.5
  Top w0.25: v1(42.55,83.83) 42.55,85.35
  Bottom w0.25: D38_RH10.2 38.94,80.23 42.54,83.83 v1(42.55,83.83)
Net-(D40-A): length 4.1
  Bottom w0.25: SW40.5 195.87,26.24 D40.2
Net-(D42-A): length 4.2
  Bottom w0.25: D42.2 159.93,50.58 SW42.5
Net-(D43-A): length 4.2
  Bottom w0.25: D43.2 140.88,53.08 SW43.5
Net-(D44-A): length 4.2
  Bottom w0.25: D44.2 121.83,58.08 SW44.5
Net-(D45-A): length 4.2
  Bottom w0.25: D45.2 102.77,54.08 SW45.5
Net-(D46-A): length 4.2
  Bottom w0.25: SW46.5 83.72,48.58 D46.2
Net-(D47-A): length 3.1
  Bottom w0.25: D47.2 50.48,44.37
Net-(D48_RH10-A): length 10.6
  Top w0.25: D48_RH10.2 26.49,66.41 SW48_RH10.5
Net-(D50-A): length 4.2
  Bottom w0.25: D50.2 193.38,7.22 SW50.5
Net-(D51-A): length 4.1
  Bottom w0.25: SW51.5 175.73,19.41 D51.2
Net-(D52-A): length 4
  Bottom w0.25: D52.2 156.73,22.19 SW52.5
Net-(D53-A): length 14.2
  Top w0.25: D53.2 154.24,19.35 154.24,21.83 SW53.5
Net-(D54-A): length 15.8
  Top w0.25: SW54.5 132.18,50.24 129.47,52.95 119.71,52.95 D54.2
Net-(D55-A): length 16.3
  Top w0.25: SW55.5 113.12,46.42 110.55,48.99 100.13,48.99 D55.2
Net-(D56-A): length 5.7
  Bottom w0.25: D56.2 81.38,30.12 SW56.5
Net-(D57-A): length 4.2
  Bottom w0.25: D57.2 62.29,24.03 SW57.5
Net-(D58-A): length 4.2
  Bottom w0.25: D58.2 38.48,24.03 SW58.5
Net-(J_SOL_1-Pin_1): length 12.4
  Top w0.25: J_SOL_1.1 76.48,123.01 Q1.2 ; 78.74,125.47 73.5,130.7
Net-(Q1-B): length 20.6
  Top w0.25: 74.2,125.03 62.11,125.03 R2.1

## Copper pours and planes (outline as drawn; the poured copper is in the pictures)
GND on Bottom: -30.48,16.13 225.46,-5.88 231.25,162.43 4.74,160.66 -29.8,16.45
VCC on Top: 0.12,158.49 223.52,158.56 222.06,-5.27 -6.48,16.13 0.8,158.17

## Text on the board
F.Silkscreen: JLCJLCJLCJLC | github.com/JellyTitan / 7-26-2023 | Ergodonk v1.1
